# KiCad board ergodonk_ds_oled.kicad_pcb
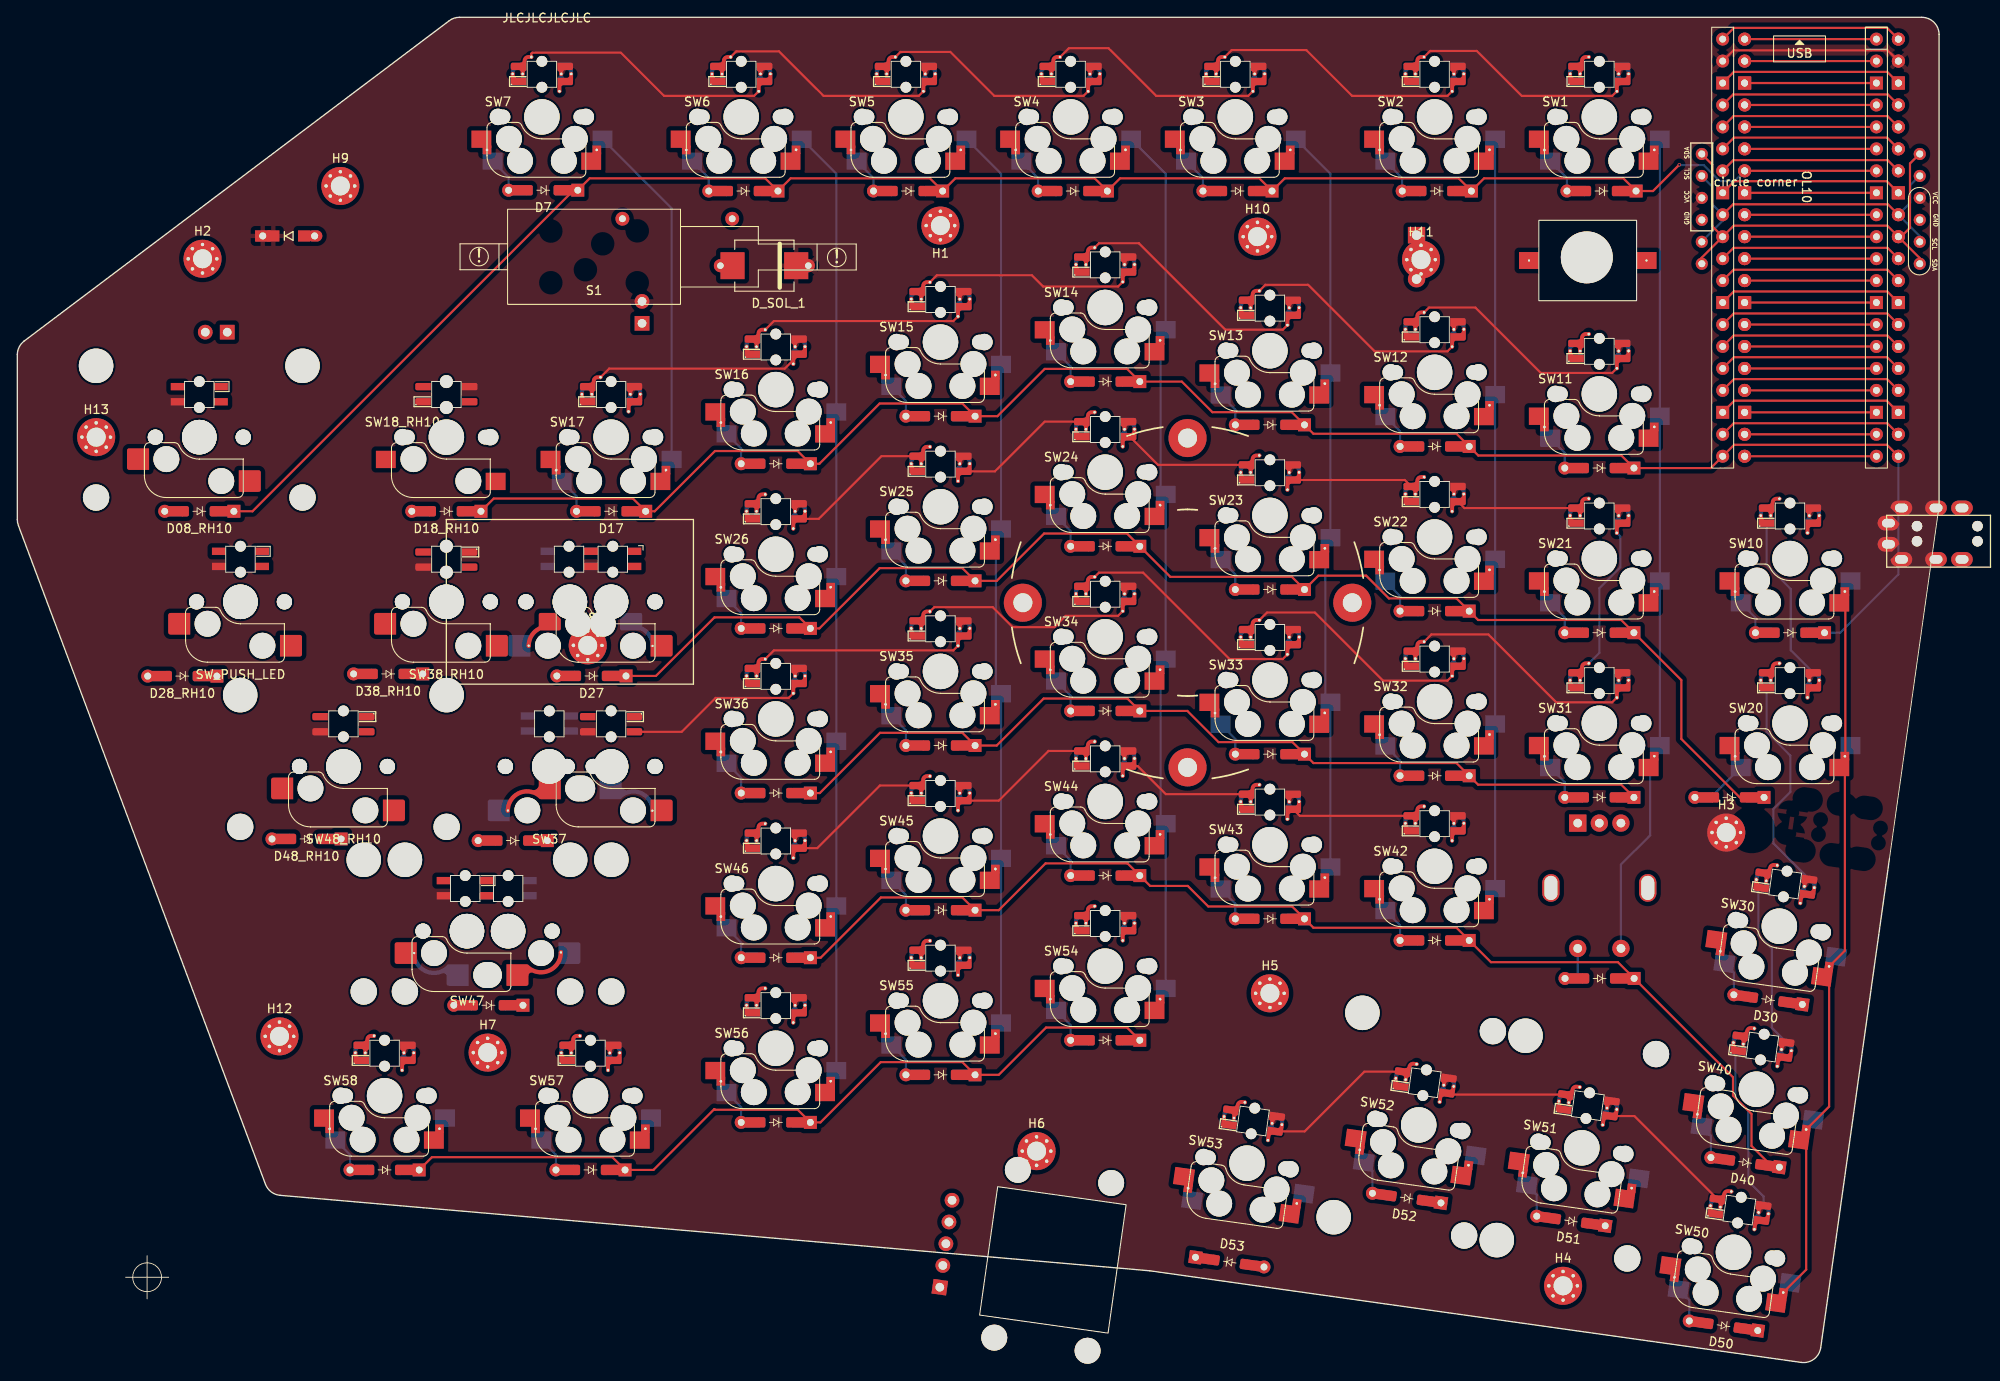
[diagram p0: board, top side]
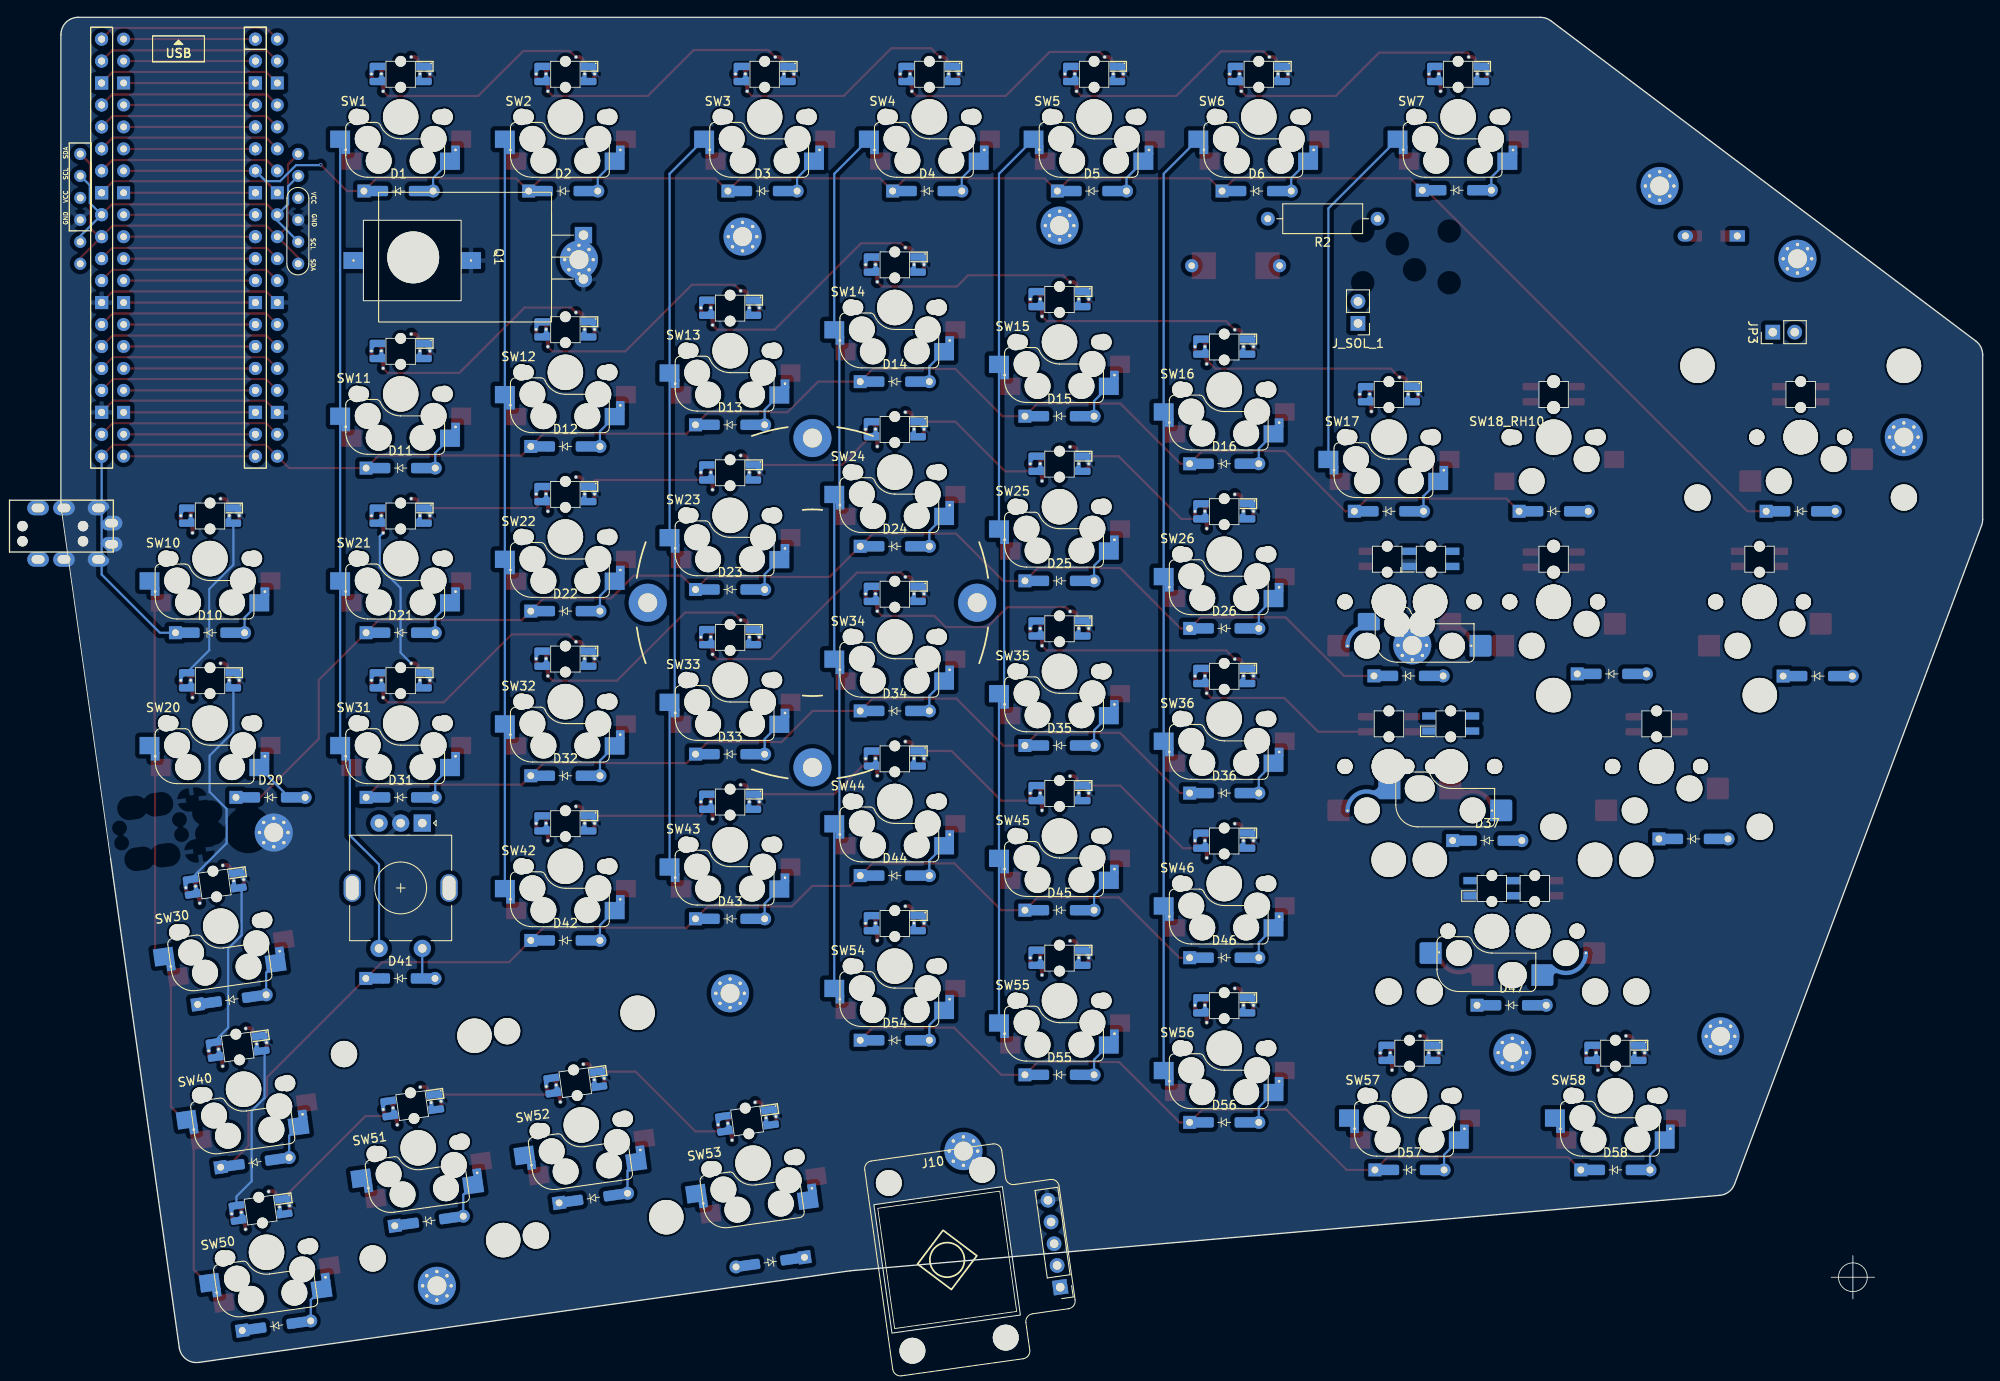
[diagram p1: board, bottom side, seen from below]

Outline 222.27 x 155.62 mm; copper layers: Top, Bottom. Coordinates in mm from the lower left corner of the outline.
Outline path: 0,97.52 0,116.57 arc(0.21,117.46) 0.8,118.17 49.95,155.22 arc(50.52,155.52) 51.15,155.62 220.27,155.62 arc(221.68,155.03) 222.27,153.62 222.27,99.08 216.53,58.29 208.58,1.7 arc(207.8,0.38) 206.32,0 130.98,10.6 30.4,19.33 arc(29.37,19.73) 28.7,20.62 0.13,96.82 arc(0.03,97.16) 0,97.52
Stack: Top 0.035mm / dielectric 1.51mm FR4 er 4.5 / Bottom 0.035mm

## Placement (name value [footprint] x y rotation side)
D1  D  [D_SOD-123_DO-35_Hybrid_DoubleSided]  183.23 135.52 180 bottom
D2  D  [D_SOD-123_DO-35_Hybrid_DoubleSided]  164.18 135.52 180 bottom
D3  D  [D_SOD-123_DO-35_Hybrid_DoubleSided]  141.12 135.52 180 bottom
D4  D  [D_SOD-123_DO-35_Hybrid_DoubleSided]  122.08 135.52 180 bottom
D5  D  [D_SOD-123_DO-35_Hybrid_DoubleSided]  103.02 135.52 180 bottom
D6  D  [D_SOD-123_DO-35_Hybrid_DoubleSided]  83.97 135.52 180 bottom
D7  D  [D_SOD-123_DO-35_Hybrid_DoubleSided]  60.83 135.61 180 top
D08_RH10  D  [D_SOD-123_DO-35_Hybrid_DoubleSided]  21.05 98.47 180 top
D10  D  [D_SOD-123_DO-35_Hybrid_DoubleSided]  205.02 84.42 180 bottom
D11  D  [D_SOD-123_DO-35_Hybrid_DoubleSided]  182.98 103.47 180 bottom
D12  D  [D_SOD-123_DO-35_Hybrid_DoubleSided]  163.93 105.97 180 bottom
D13  D  [D_SOD-123_DO-35_Hybrid_DoubleSided]  144.88 108.47 180 bottom
D14  D  [D_SOD-123_DO-35_Hybrid_DoubleSided]  125.83 113.47 180 bottom
D15  D  [D_SOD-123_DO-35_Hybrid_DoubleSided]  106.77 109.47 180 bottom
D16  D  [D_SOD-123_DO-35_Hybrid_DoubleSided]  87.72 103.97 180 bottom
D17  D  [D_SOD-123_DO-35_Hybrid_DoubleSided]  68.67 98.47 180 top
D18  D  [D3_TH_SMD_v2]  31.39 130.32 0 top
D18_RH10  D  [D_SOD-123_DO-35_Hybrid_DoubleSided]  49.62 98.47 180 top
D20  D  [D_SOD-123_DO-35_Hybrid_DoubleSided]  198.02 65.37 180 bottom
D21  D  [D_SOD-123_DO-35_Hybrid_DoubleSided]  182.98 84.42 180 bottom
D22  D  [D_SOD-123_DO-35_Hybrid_DoubleSided]  163.93 86.92 180 bottom
D23  D  [D_SOD-123_DO-35_Hybrid_DoubleSided]  144.88 89.42 180 bottom
D24  D  [D_SOD-123_DO-35_Hybrid_DoubleSided]  125.83 94.42 180 bottom
D25  D  [D_SOD-123_DO-35_Hybrid_DoubleSided]  106.77 90.42 180 bottom
D26  D  [D_SOD-123_DO-35_Hybrid_DoubleSided]  87.72 84.92 180 bottom
D27  D  [D_SOD-123_DO-35_Hybrid_DoubleSided]  66.41 79.42 180 top
D28_RH10  D  [D_SOD-123_DO-35_Hybrid_DoubleSided]  19.09 79.4 180 top
D30  D  [D_SOD-123_DO-35_Hybrid_DoubleSided]  202.5 41.97 172 top
D31  D  [D_SOD-123_DO-35_Hybrid_DoubleSided]  182.98 65.37 180 bottom
D32  D  [D_SOD-123_DO-35_Hybrid_DoubleSided]  163.93 67.87 180 bottom
D33  D  [D_SOD-123_DO-35_Hybrid_DoubleSided]  144.88 70.37 180 bottom
D34  D  [D_SOD-123_DO-35_Hybrid_DoubleSided]  125.83 75.37 180 bottom
D35  D  [D_SOD-123_DO-35_Hybrid_DoubleSided]  106.77 71.37 180 bottom
D36  D  [D_SOD-123_DO-35_Hybrid_DoubleSided]  87.72 65.87 180 bottom
D37  D  [D_SOD-123_DO-35_Hybrid_DoubleSided]  57.3 60.37 180 bottom
D38_RH10  D  [D_SOD-123_DO-35_Hybrid_DoubleSided]  42.89 79.65 180 top
D40  D  [D_SOD-123_DO-35_Hybrid_DoubleSided]  199.83 23.14 172 top
D41  D  [D_SOD-123_DO-35_Hybrid_DoubleSided]  183 44.42 180 bottom
D42  D  [D_SOD-123_DO-35_Hybrid_DoubleSided]  163.93 48.82 180 bottom
D43  D  [D_SOD-123_DO-35_Hybrid_DoubleSided]  144.88 51.32 180 bottom
D44  D  [D_SOD-123_DO-35_Hybrid_DoubleSided]  125.83 56.32 180 bottom
D45  D  [D_SOD-123_DO-35_Hybrid_DoubleSided]  106.77 52.32 180 bottom
D46  D  [D_SOD-123_DO-35_Hybrid_DoubleSided]  87.72 46.82 180 bottom
D47  D  [D_SOD-123_DO-35_Hybrid_DoubleSided]  54.48 41.32 180 bottom
D48_RH10  D  [D_SOD-123_DO-35_Hybrid_DoubleSided]  33.45 60.56 180 top
D50  D  [D_SOD-123_DO-35_Hybrid_DoubleSided]  197.34 4.24 172 top
D51  D  [D_SOD-123_DO-35_Hybrid_DoubleSided]  179.69 16.36 172 top
D52  D  [D_SOD-123_DO-35_Hybrid_DoubleSided]  160.69 19.01 172 top
D53  D  [D_SOD-123_DO-35_Hybrid_DoubleSided]  140.23 11.6 352 top
D54  D  [D_SOD-123_DO-35_Hybrid_DoubleSided]  125.83 37.27 180 bottom
D55  D  [D_SOD-123_DO-35_Hybrid_DoubleSided]  106.77 33.27 180 bottom
D56  D  [D_SOD-123_DO-35_Hybrid_DoubleSided]  87.72 27.77 180 bottom
D57  D  [D_SOD-123_DO-35_Hybrid_DoubleSided]  66.29 22.27 180 bottom
D58  D  [D_SOD-123_DO-35_Hybrid_DoubleSided]  42.48 22.27 180 bottom
D_SOL_1  MUR340S  [MUR340S_IN4001_TH_HYBRID]  86.41 126.88 180 top
H1  MountingHole  [MountingHole_2.2mm_M2_Pad_Via]  106.77 131.52 180 top
H2  MountingHole  [MountingHole_2.2mm_M2_Pad_Via]  21.42 127.68 0 top
H3  MountingHole  [MountingHole_2.2mm_M2_Pad_Via]  197.65 61.3 0 top
H4  MountingHole  [MountingHole_2.2mm_M2_Pad_Via]  178.79 8.86 0 top
H5  MountingHole  [MountingHole_2.2mm_M2_Pad_Via]  144.88 42.7 0 top
H6  MountingHole  [MountingHole_2.2mm_M2_Pad_Via]  117.89 24.45 0 top
H7  MountingHole  [MountingHole_2.2mm_M2_Pad_Via]  54.4 35.84 0 top
H8  MountingHole  [MountingHole_2.2mm_M2_Pad_Via]  65.97 82.95 0 top
H9  MountingHole  [MountingHole_2.2mm_M2_Pad_Via]  37.36 136.1 0 top
H10  MountingHole  [MountingHole_2.2mm_M2_Pad_Via]  143.44 130.24 0 top
H11  MountingHole  [MountingHole_2.2mm_M2_Pad_Via]  162.36 127.58 0 top
H12  MountingHole  [MountingHole_2.2mm_M2_Pad_Via]  30.33 37.72 0 top
H13  MountingHole  [MountingHole_2.2mm_M2_Pad_Via]  9.12 107.05 0 top
J10  Pimaroni Trackball  [pimoroni_trackball]  106.69 8.7 352 bottom
J11  4PIN  [MJ-4PP-9_CANTOR_KITCHEN_SINK]  228.21 95 270 top
J_SOL_1  Conn_01x02_Female  [PinHeader_1x02_P2.54mm_Vertical]  72.25 120.21 0 bottom
JP3  LH LED's  [PinHeader_1x02_P2.54mm_Vertical]  24.28 119.19 90 bottom
LS10  AST1109MLTRQ_MAL  [AST1109MLTRQ]  181.63 127.48 180 top
OL10  OLED  [OLED SSD1306 128x64 UNVERIFIED v2]  207.43 133.87 270 top
Q1  TIP120  [Tip 120 with heatsink]  173.07 127.87 270 bottom
R2  1k  [R_Axial_DIN0309_L9.0mm_D3.2mm_P12.70mm_Horizontal]  69.98 132.31 0 bottom
REF**  REF**  [2u_Stab]  180.95 24.82 82 top
REF**#2  Tenting Puck  [Tenting_Puck.kicad_mod_nocenter]  135.35 87.89 0 top
REF**#3  REF**  [2u_Stab]  162.09 27.47 82 top
S1  Solenoid  [uxcell a14092600ux0438 solenoid]  66.7 127.91 180 top
SW1  SW_PUSH_LED  [Cherry_MX_DS_Hotswap_miniE_1U_sofle3b v2]  182.98 144.1 180 top
SW2  SW_PUSH_LED  [Cherry_MX_DS_Hotswap_miniE_1U_sofle3b v2]  163.93 144.1 180 top
SW3  SW_PUSH_LED  [Cherry_MX_DS_Hotswap_miniE_1U_sofle3b v2]  140.88 144.1 180 top
SW4  SW_PUSH_LED  [Cherry_MX_DS_Hotswap_miniE_1U_sofle3b v2]  121.83 144.1 180 top
SW5  SW_PUSH_LED  [Cherry_MX_DS_Hotswap_miniE_1U_sofle3b v2]  102.77 144.1 180 top
SW6  SW_PUSH_LED  [Cherry_MX_DS_Hotswap_miniE_1U_sofle3b v2]  83.72 144.1 180 top
SW7  SW_PUSH_LED  [Cherry_MX_DS_Hotswap_miniE_1U_sofle3b v2]  60.67 144.1 180 top
SW08_RH10  SW_PUSH_LED  [V2_CherryMX_DoubleSided_Hotswap_miniE_2u_RH_ONLY]  21.05 107.05 0 top
SW10  SW_PUSH_LED  [Cherry_MX_DS_Hotswap_miniE_1U_sofle3b v2]  205.02 93 180 top
SW11  SW_PUSH_LED  [Cherry_MX_DS_Hotswap_miniE_1U_sofle3b v2]  182.98 112.05 180 top
SW12  SW_PUSH_LED  [Cherry_MX_DS_Hotswap_miniE_1U_sofle3b v2]  163.93 114.55 180 top
SW13  SW_PUSH_LED  [Cherry_MX_DS_Hotswap_miniE_1U_sofle3b v2]  144.88 117.05 180 top
SW14  SW_PUSH_LED  [Cherry_MX_DS_Hotswap_miniE_1U_sofle3b v2]  125.83 122.05 180 top
SW15  SW_PUSH_LED  [Cherry_MX_DS_Hotswap_miniE_1U_sofle3b v2]  106.77 118.05 180 top
SW16  SW_PUSH_LED  [Cherry_MX_DS_Hotswap_miniE_1U_sofle3b v2]  87.72 112.55 180 top
SW17  SW_PUSH_LED  [Cherry_MX_DS_Hotswap_miniE_1U_sofle3b v2]  68.67 107.05 180 top
SW18_RH10  SW_PUSH_LED  [Cherry_MX_DS_Hotswap_miniE_1U_sofle3b_oneside]  49.62 107.05 180 top
SW20  SW_PUSH_LED  [Cherry_MX_DS_Hotswap_miniE_1U_sofle3b v2]  205.02 73.95 180 top
SW21  SW_PUSH_LED  [Cherry_MX_DS_Hotswap_miniE_1U_sofle3b v2]  182.98 93 180 top
SW22  SW_PUSH_LED  [Cherry_MX_DS_Hotswap_miniE_1U_sofle3b v2]  163.93 95.5 180 top
SW23  SW_PUSH_LED  [Cherry_MX_DS_Hotswap_miniE_1U_sofle3b v2]  144.88 98 180 top
SW24  SW_PUSH_LED  [Cherry_MX_DS_Hotswap_miniE_1U_sofle3b v2]  125.83 103 180 top
SW25  SW_PUSH_LED  [Cherry_MX_DS_Hotswap_miniE_1U_sofle3b v2]  106.77 99 180 top
SW26  SW_PUSH_LED  [Cherry_MX_DS_Hotswap_miniE_1U_sofle3b v2]  87.72 93.5 180 top
SW27  SW_PUSH_LED  [V2_CherryMX_DoubleSided_Hotswap_miniE_1.5u_LH_1u_RH]  63.91 88 0 top
SW28_RH10  SW_PUSH_LED  [V2_CherryMX_DoubleSided_Hotswap_miniE_1.5u_RH_ONLY]  25.81 88 0 top
SW30  SW_PUSH_LED  [Cherry_MX_DS_Hotswap_miniE_1U_sofle3b v2]  203.79 50.47 172 top
SW31  SW_PUSH_LED  [Cherry_MX_DS_Hotswap_miniE_1U_sofle3b v2]  182.98 73.95 180 top
SW32  SW_PUSH_LED  [Cherry_MX_DS_Hotswap_miniE_1U_sofle3b v2]  163.93 76.45 180 top
SW33  SW_PUSH_LED  [Cherry_MX_DS_Hotswap_miniE_1U_sofle3b v2]  144.88 78.95 180 top
SW34  SW_PUSH_LED  [Cherry_MX_DS_Hotswap_miniE_1U_sofle3b v2]  125.83 83.95 180 top
SW35  SW_PUSH_LED  [Cherry_MX_DS_Hotswap_miniE_1U_sofle3b v2]  106.77 79.95 180 top
SW36  SW_PUSH_LED  [Cherry_MX_DS_Hotswap_miniE_1U_sofle3b v2]  87.72 74.45 180 top
SW37  SW_PUSH_LED  [V2_CherryMX_DoubleSided_Hotswap_miniE_1.75u_LH_1u_RH]  61.53 68.95 0 top
SW38_RH10  SW_PUSH_LED  [V2_CherryMX_DS_Hotswap_miniE_1U_SEED_RH]  49.62 88 0 top
SW40  SW_PUSH_LED  [Cherry_MX_DS_Hotswap_miniE_1U_sofle3b v2]  201.14 31.6 172 top
SW42  SW_PUSH_LED  [Cherry_MX_DS_Hotswap_miniE_1U_sofle3b v2]  163.93 57.4 180 top
SW43  SW_PUSH_LED  [Cherry_MX_DS_Hotswap_miniE_1U_sofle3b v2]  144.88 59.9 180 top
SW44  SW_PUSH_LED  [Cherry_MX_DS_Hotswap_miniE_1U_sofle3b v2]  125.83 64.9 180 top
SW45  SW_PUSH_LED  [Cherry_MX_DS_Hotswap_miniE_1U_sofle3b v2]  106.77 60.9 180 top
SW46  SW_PUSH_LED  [Cherry_MX_DS_Hotswap_miniE_1U_sofle3b v2]  87.72 55.4 180 top
SW47  SW_PUSH_LED  [V2_CherryMX_DoubleSided_Hotswap_miniE_2.25u_LH_2.75u_RH]  52.01 50.22 0 top
SW48_RH10  SW_PUSH_LED  [V2_CherryMX_DoubleSided_Hotswap_miniE_2.25u_RH_ONLY]  37.72 68.95 0 top
SW50  SW_PUSH_LED  [Cherry_MX_DS_Hotswap_miniE_1U_sofle3b v2]  198.49 12.74 172 top
SW51  SW_PUSH_LED  [Cherry_MX_DS_Hotswap_miniE_1U_sofle3b v2]  180.95 24.82 172 top
SW52  SW_PUSH_LED  [Cherry_MX_DS_Hotswap_miniE_1U_sofle3b v2]  162.09 27.47 172 top
SW53  SW_PUSH_LED  [Cherry_MX_DS_Hotswap_miniE_1U_sofle3b v2]  142.23 23.05 172 top
SW54  SW_PUSH_LED  [Cherry_MX_DS_Hotswap_miniE_1U_sofle3b v2]  125.83 45.85 180 top
SW55  SW_PUSH_LED  [Cherry_MX_DS_Hotswap_miniE_1U_sofle3b v2]  106.77 41.85 180 top
SW56  SW_PUSH_LED  [Cherry_MX_DS_Hotswap_miniE_1U_sofle3b v2]  87.72 36.35 180 top
SW57  SW_PUSH_LED  [Cherry_MX_DS_Hotswap_miniE_1U_sofle3b v2]  66.29 30.85 180 top
SW58  SW_PUSH_LED  [Cherry_MX_DS_Hotswap_miniE_1U_sofle3b v2]  42.48 30.85 180 top
SWLH_ROT1  RotaryEncoder_Switch  [RotaryEncoder_EC11_ergodonk_variant]  182.98 54.9 270 bottom
U11  Pico  [RPi_Pico_SMD_TH - Junco -DS Sofle v3b v4]  206.2 128.97 0 top

## Library data of the parts
D1-D7 D08_RH10 D10-D17 D18_RH10 D20-D27 D28_RH10 D30-D37 D38_RH10 D40-D47 D48_RH10 D50-D58 = -: Description: Diode; Sim.Pins: 1=K 2=A
D18 = -: Description: Diode
D_SOL_1 = -: MANUFACTURER: Taiwan Semiconductor; MAXIMUM_PACKAGE_HEIGHT: 2.62 mm; PARTREV: L2102; STANDARD: IPC-7351B
H1-H13 = -: Description: Mounting Hole without connection
J10 = -: Description: Generic connector, single row, 01x05, script generated
J_SOL_1 = -: Description: Generic connector, single row, 01x02, script generated (kicad-library-utils/schlib/autogen/connector/)
JP3 = -: Description: Solder Jumper, 2-pole, open
Q1 = -: Description: 5A Ic, 60V Vce, Silicon Darlington Power NPN Transistor, TO-220
R2 = -: Description: Resistor, small symbol
SWLH_ROT1 = -: Description: Rotary encoder, dual channel, incremental quadrate outputs, with switch

## Footprints (pads in the part's own frame, mm; a bottom-side part is the same pattern mirrored in y, then rotated)
2u_Stab
  round 3.988 hole 3.988 unplated: (-11.938,8.255) (11.938,8.255)
  round 3.048 hole 3.048 unplated: (-11.938,-6.985) (11.938,-6.985)
AST1109MLTRQ
  round 0.4 hole 0.25: 1(-6.795,0) 2(6.795,0)
  rect 2.311x1.956 smd: 1(-6.795,0) 2(6.795,0)
  rect 2.311x1.956 smd far side: 1(-6.795,0) 2(6.795,0)
Cherry_MX_DS_Hotswap_miniE_1U_sofle3b v2
  round 1.9 hole 1.9 unplated: (-5.08,0) (5.08,0)
  round 1.7 hole 1.7 unplated: (-4.5,0) (4.5,0)
  round 3 hole 3 unplated: (-3.81,2.54) (-2.54,5.08) (2.54,5.08) (3.81,2.54)
  rrect 1.82x0.85 smd: (-2.69,-5.845) (-2.69,-4.095)
  rrect 1.82x0.84 smd: (-2.69,-4.095) (2.69,-5.84)
  rrect 1.83x0.85 smd: (-2.685,-5.855) (2.685,-4.095)
  round 4.1 hole 4.1 unplated: (0,0)
  round 1.25 hole 1.25 unplated: (0,-3.43) (0,-6.43)
  rect 1.38x0.84 smd: (2.47,-5.85) (2.47,-4.09)
  rrect 1.49x0.84 smd: (2.855,-5.85) (2.855,-4.09)
  custom 1.8x1.524 smd far side: 1(-2.7,-4.095)
  custom 1.803x1.525 smd: 1(-2.7,-5.845)
  round 0.45 hole 0.3: 1(-2.234,-4.969) 2(-3.38,-4.97) 2(-2.025,-2.97) 3(3.38,-4.97) 4(1.22,-6.93) 4(2.225,-4.97)
  custom 1.805x2.45 smd: 2(-2.7,-4.095)
  custom 1.8x1.525 smd far side: 2(-2.693,-5.845)
  custom 1.805x1.525 smd: 3(2.7,-4.1)
  custom 1.81x1.362 smd far side: 3(2.705,-5.845)
  custom 1.81x1.525 smd far side: 4(2.7,-4.095)
  custom 2.605x2.41 smd: 4(2.7,-5.845)
  rect 2.3x2 smd far side: 5(5.7,5.12) 6(-7,2.58)
  rect 1x1 hole 0.3: 5(6.35,3.82) 6(-6.35,3.81)
  rect 2.3x2 smd: 5(7,2.58) 6(-5.7,5.12)
Cherry_MX_DS_Hotswap_miniE_1U_sofle3b_oneside
  round 1.9 hole 1.9 unplated: (-5.08,0) (5.08,0)
  round 1.7 hole 1.7 unplated: (-4.5,0) (4.5,0)
  rrect 1.82x0.85 smd: (-2.69,-5.845)
  rrect 1.82x0.84 smd: (-2.69,-4.095) (2.69,-5.84)
  round 3 hole 3 unplated: (-2.54,5.08) (3.81,2.54)
  round 4.1 hole 4.1 unplated: (0,0)
  round 1.5 hole 1.5 unplated: (0,-3.43) (0,-6.43)
  rect 1.38x0.84 smd: (2.47,-4.09)
  rrect 1.49x0.84 smd: (2.855,-4.09)
  custom 1.8x0.85 smd: 1(-2.7,-5.845) 2(-2.7,-4.095) 3(2.7,-4.1) 4(2.7,-5.845)
  rect 2.3x2 smd: 5(7,2.58) 6(-5.7,5.12)
D3_TH_SMD_v2
  rect 1.778x1.3 hole 0.813: 1(-3,0)
  rect 1.4x1.3 smd: 1(-1.775,0) 2(1.775,0)
  oval 1.778x1.3 hole 0.813: 2(3,0)
D_SOD-123_DO-35_Hybrid_DoubleSided
  rect 1.5x1.5 hole 0.8: 1(-4,0)
  rect 1.6x1.2 smd far side: 1(-2.75,0) 2(2.7,0)
  rect 1.6x1.2 smd: 1(-2.7,0)
  rrect 0.9x1.2 smd: 1(-1.65,0) 2(1.65,0)
  rrect 0.9x1.2 smd far side: 1(-1.65,0) 2(1.65,0)
  rect 1.94x1.2 smd: 2(2.87,0)
  round 1.5 hole 0.8: 2(4,0)
MJ-4PP-9_CANTOR_KITCHEN_SINK
  round 1.2 hole 1.2 unplated: (-1.75,-1.5) (-1.75,-8.5) (0,-1.5) (0,-8.5)
  rrect 1.7x2.5 hole 1x1.5: 1(-2.1,-11.8) 1(0.35,-11.8) 2(-3.85,-10.3) 2(2.1,-10.3)
  oval 1.7x2.5 hole 1x1.5: 3(-3.85,-6.3) 3(2.1,-6.3) 4(-3.85,-3.3) 4(2.1,-3.3)
MountingHole_2.2mm_M2_Pad_Via
  round 0.7 hole 0.4: 1(-1.65,0) 1(-1.167,1.167) 1(-1.167,-1.167) 1(0,1.65) 1(0,-1.65) 1(1.167,1.167) 1(1.167,-1.167) 1(1.65,0)
  round 4.4 hole 2.2: 1(0,0)
MUR340S_IN4001_TH_HYBRID
  rect 2.795x3.12 smd: A(3.683,0) C(-3.683,0)
  round 1.524 hole 0.762: A(5.08,0) C(-5.08,0)